# Allegro board LAY-29364_B.brd (continued)
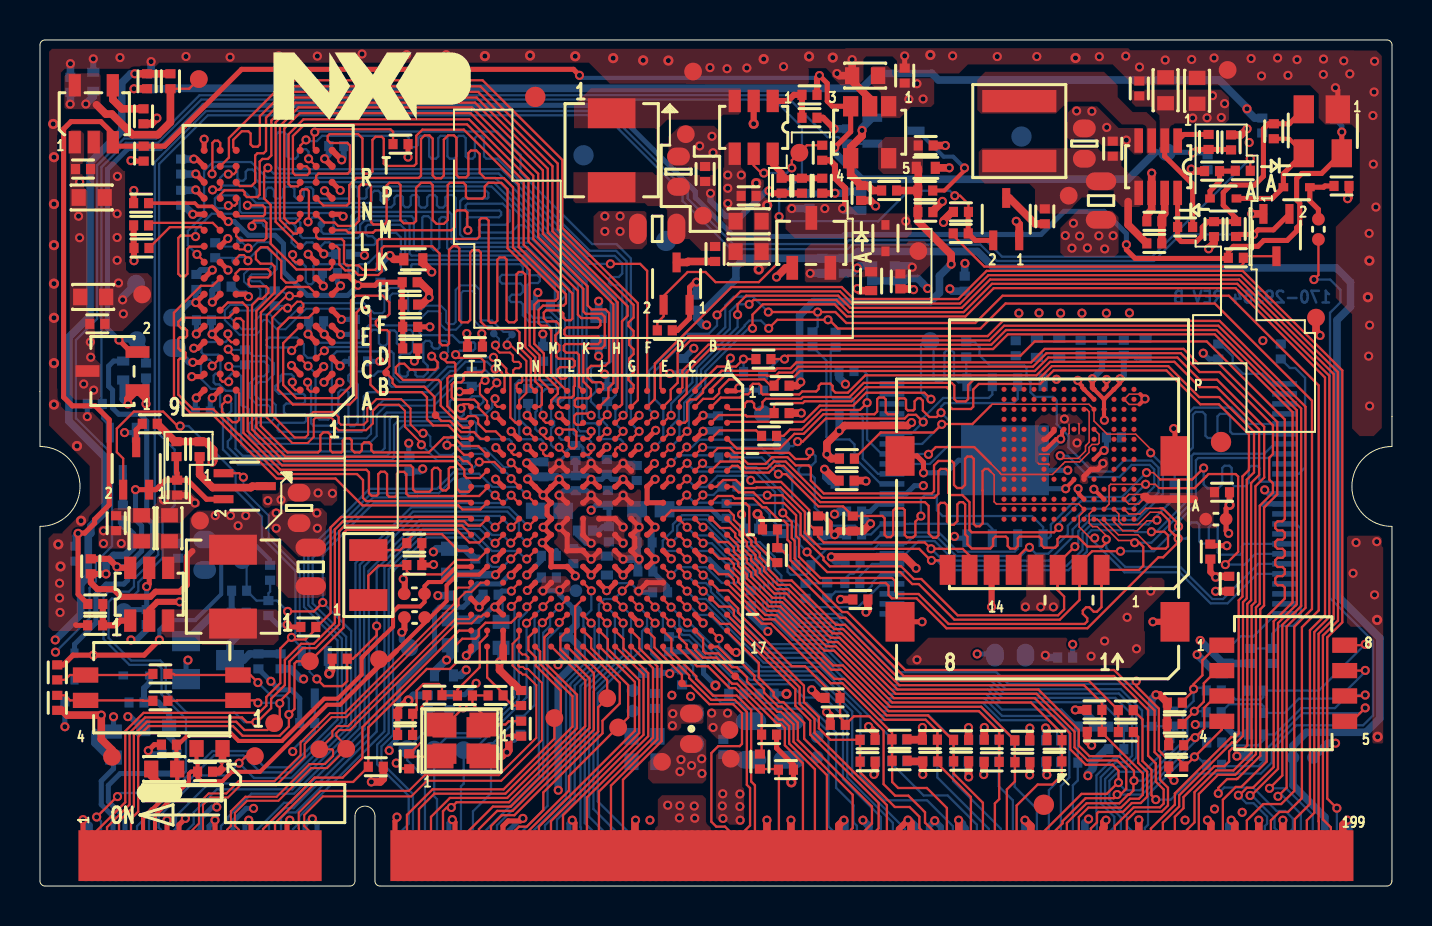
[diagram p0: board, top side]
## Routing (per net, layer and track width the routed paths; a pad name or vN(x,y) marks a point on that pad's centre or on a via; arc(x,y) is an arc through that point) (continued)
VDDUSB: length 2.9
  TOP w0.254: v1(22.78,15.58) 23.16,15.96 U101.R12
  BOTTOM w0.381: v1(22.78,15.58) 22.77,15.58 21.8,15.58 C409.1 20.5,15.62 C408.1
ACC_INT: length 23.5
  TOP w0.114: U101.R10 23.16,17.56 v1(22.76,17.16)
  BOTTOM w0.114: v1(22.76,17.16) 22.7,17.16 21.99,17.88 19.15,17.88 17.22,15.95 17.22,7.74 12.97,3.49 12.97,3.16 12.65,2.85 P801.36
ARM_SOC_PG: length 3.3
  TOP w0.254: U702.5 5.46,15.11 v1(5.33,14.99)
  BOTTOM w0.254: TP703.1 4.31,13.84 R759.2 v1(5.33,14.99)
AUD_INT: length 26.1
  TOP w0.114: U101.P9 23.96,18.36 v1(23.56,17.96)
  BOTTOM w0.114: v1(23.56,17.96) 22.99,18.52 18.74,18.52 16.21,15.99 16.21,11.59 16.23,11.57 16.23,7.84 12.55,4.17 12.2,4.17 10.85,2.82 P801.30
BLT_PWM: length 16.5
  TOP w0.114: P801.45 18.95,3.85 19.72,4.62 23.27,4.62 26.63,7.98 26.63,9.5 25.01,11.12 25.01,11.74 U101.N17
BOOT_MODE0: length 40.5
  TOP w0.114: v1(10.9,10.19) 10.52,10.56 SW602.2 6.74,10.56 6.68,10.62 R655.1 ; U101.T10 21.97,17.2 21.47,17.2 20.84,17.83 15.33,17.83 15.18,17.67 15.18,12.93 TP810.1 12.84,11.25 12.73,11.14 12.73,8.86 v1(12.45,8.59) 12.45,7.99 11.98,7.52 10.13,7.52 9.65,8.01 5.43,8.01 4.91,7.48 4.91,3.72 4.55,3.36 P801.9
  BOTTOM w0.114: v1(12.45,8.59) 12.45,9.37 12.28,9.53 11.55,9.53 v1(10.9,10.19)
BOOT_MODE1: length 37.9
  TOP w0.114: v1(10.9,9.17) 10.77,9.29 SW602.1 6.86,9.29 6.83,9.27 R656.1 ; P801.7 3.95,3.24 4.69,3.98 4.69,7.57 5.34,8.22 9.81,8.22 10.22,7.81 11.37,7.81 TP811.1 11.71,8.17 11.99,8.45 v1(11.99,9.14) 11.99,9.25 12.47,9.73 12.47,11.24 13.14,11.91 13.78,11.91 14.96,13.08 14.96,17.76 15.24,18.04 21.1,18.04 U101.U10
  BOTTOM w0.114: v1(11.99,9.14) 11.96,9.17 v1(10.9,9.17)
BT_DISABLE: length 24.7
  TOP w0.114: U101.R9 23.16,18.36 v1(22.76,17.96)
  BOTTOM w0.114: v1(22.76,17.96) 22.41,18.31 18.97,18.31 16.42,15.76 16.42,13.82 16.45,13.8 16.45,7.67 12.68,3.9 12.24,3.9 11.45,3.11 P801.32
CAN1_RX: length 14.9
  TOP w0.114: v1(29.96,13.96) 29.56,14.36 U101.G14
  BOTTOM w0.114: P801.80 29.45,2.68 27.89,4.24 27.89,9.65 30.1,11.87 30.1,12.76 30.36,13.01 30.36,13.56 v1(29.96,13.96)
CAN1_TX: length 13.3
  TOP w0.114: v1(29.16,13.16) 29.16,13.19 U101.H15
  BOTTOM w0.114: v1(29.16,13.16) 29.16,11.53 27.46,9.83 27.46,3.47 28.25,2.68 P801.76
CAN2_RX: length 14.5
  TOP w0.114: U101.H14 28.76,14.36 v1(29.16,13.96)
  BOTTOM w0.114: P801.78 28.85,2.68 27.67,3.85 27.67,9.74 29.55,11.62 29.55,13.56 v1(29.16,13.96)
CAN2_TX: length 12.8
  TOP w0.114: U101.J15 27.96,13.56 v1(28.36,13.16)
  BOTTOM w0.114: v1(28.36,13.16) 28.36,11.35 27.03,10.01 27.03,2.95 27.05,2.93 P801.72
CLK1_N: length 21.7
  TOP w0.102: P801.37 12.95,2.87 12.93,2.89 12.93,3.67 14.03,4.77 18.45,4.77 19.23,5.55 22.95,5.55 24.82,7.42 24.82,10.05 24.28,10.59 24.14,10.59 24.04,10.69 23.98,10.69 23.63,11.04 23.63,12.12 23.96,12.45 U101.P16
CLK1_P: length 21.7
  TOP w0.102: P801.39 13.55,2.67 13.21,3.01 13.21,3.55 14.15,4.49 18.56,4.49 19.35,5.27 23.06,5.27 25.1,7.3 25.1,10.17 24.4,10.87 24.25,10.87 24.15,10.97 23.98,10.97 23.91,11.04 23.91,11.19 23.98,11.27 24.35,11.27 24.42,11.34 24.42,11.44 24.28,11.59 24.12,11.59 23.96,11.75 U101.P17
CSI_DATA0: length 65.5
  TOP w0.114: v1(31.56,22.76) 31.18,22.39 U101.E4 ; P801.195 63.95,3.23 63.93,3.25 63.93,12.62 64.69,13.38 64.69,25.63 59.96,30.36 47.51,30.36 46.09,28.94 40.52,28.94 39.91,29.55 35.31,29.55 34.88,29.12 v1(34.88,28.6)
  BOTTOM w0.114: v1(34.88,28.6) 34.88,27.98 32.84,25.93 32.84,25.12 31.95,24.23 31.95,23.4 31.56,23.01 v1(31.56,22.76)
CSI_DATA1: length 64.4
  TOP w0.114: U101.E3 31.53,23.56 v1(31.56,23.56) ; v1(35.46,29.12) 35.68,29.33 39.82,29.33 40.43,28.72 46.18,28.72 47.6,30.14 59.87,30.14 64.47,25.54 64.47,13.47 63.72,12.71 63.72,3.66 63.35,3.29 P801.193
  BOTTOM w0.114: v1(31.56,23.56) 31.56,24.15 32.62,25.21 32.62,26.02 34.5,27.9 34.5,28.76 34.85,29.12 v1(35.46,29.12)
CSI_DATA2: length 60.9
  TOP w0.114: v1(61.48,4.89) 62.12,5.53 62.12,13.07 63.06,14.02 63.06,23.9 58.92,28.04 48.21,28.04 47.48,27.31 32.52,27.31 31.89,26.68 31.89,25.19 31.54,24.84 31.54,24.36 U101.E2
  BOTTOM w0.114: v1(61.48,4.89) 62.31,4.89 63.65,3.56 P801.194
CSI_DATA3: length 60
  TOP w0.114: v1(61.9,4.49) 62.34,4.92 62.34,12.98 63.28,13.93 63.28,23.99 58.99,28.29 48.15,28.29 47.39,27.53 32.43,27.53 31.03,26.13 31.03,24.92 U101.E1
  BOTTOM w0.114: P801.192 63.05,3.61 62.11,4.54 61.95,4.54 v1(61.9,4.49)
CSI_DATA4: length 64
  TOP w0.114: v1(35.63,27.91) 35.63,28.6 36.15,29.12 39.73,29.12 40.34,28.51 46.27,28.51 47.69,29.93 59.78,29.93 64.26,25.45 64.26,13.56 63.5,12.8 63.5,4.1 62.75,3.35 P801.191 ; v1(32.36,22.76) 31.98,22.39 U101.D4
  BOTTOM w0.114: v1(32.36,22.76) 32.44,22.84 32.44,24.11 33.27,24.94 33.27,25.75 35.43,27.91 v1(35.63,27.91)
CSI_DATA5: length 60.1
  TOP w0.114: v1(58.92,4.63) 58.92,4.91 59.36,5.35 59.84,5.35 59.86,5.37 59.88,5.37 61.02,6.51 61.02,13.85 61.21,14.04 61.21,18.94 61.87,19.6 61.87,23.22 58.93,26.16 57.91,26.16 57.91,26.16 57.18,26.88 50.24,26.88 49.56,26.21 37.82,26.21 37.53,25.91 36.86,25.91 36.73,25.79 34.08,25.79 33.15,24.86 33.15,24.7 32.8,24.35 32.51,24.35 32.36,24.2 32.36,23.3 32.24,23.19 U101.D3
  BOTTOM w0.114: v1(58.92,4.63) 59.22,4.93 60.66,4.93 61.84,3.75 62.27,3.75 62.65,3.38 62.65,2.86 62.45,2.66 P801.190
CSI_DATA6: length 59
  TOP w0.114: U101.D2 31.96,24.27 32.34,24.65 32.34,25.7 33.51,26.88 47.66,26.88 48.39,27.61 58.74,27.61 62.63,23.72 62.63,14.2 61.69,13.25 61.69,5.96 60.65,4.92 60.35,4.92 59.97,4.54 v1(59.92,4.54)
  BOTTOM w0.114: P801.186 61.25,3 61.36,3.11 61.36,3.47 60.68,4.15 60.32,4.15 v1(59.92,4.54)
CSI_DATA7: length 58.2
  TOP w0.114: v1(60.51,4.53) 60.57,4.53 61.9,5.87 61.9,13.16 62.85,14.11 62.85,23.81 58.83,27.83 48.3,27.83 47.57,27.09 33.42,27.09 32.12,25.79 32.12,24.95 U101.D1
  BOTTOM w0.114: v1(60.51,4.53) 60.6,4.53 61.73,3.4 61.73,2.9 61.85,2.79 P801.188
CSI_HSYNC: length 66.8
  TOP w0.114: v1(33.85,28.58) 35.04,29.76 40,29.76 40.61,29.16 46,29.16 47.42,30.57 60.05,30.57 64.9,25.72 64.9,13.29 64.15,12.53 64.15,3.34 64.55,2.94 P801.197 ; v1(30.73,23.58) 30.73,23.56 U101.F3
  BOTTOM w0.114: v1(33.85,28.58) 33.85,28.05 33.44,27.64 32.3,27.64 30.45,25.79 30.45,23.86 v1(30.73,23.58)
CSI_MCLK: length 68.9
  TOP w0.114: U101.F5 v1(30.75,21.98) ; v1(36.42,28.73) v1(38.89,28.73) 39.77,28.73 40.32,28.18 46.77,28.18 48.13,29.54 59.45,29.54 63.94,25.05 63.94,13.8 63.1,12.96 63.1,4.4 62.41,3.71 61.98,3.71 61.55,3.28 P801.187
  BOTTOM w0.114: v1(30.75,21.98) 31.17,22.4 31.17,23.94 30.73,24.38 30.73,25.76 32.39,27.42 33.72,27.42 34.27,27.97 34.27,29.07 34.69,29.5 35.06,29.5 35.07,29.5 35.65,29.5 v1(36.42,28.73) ; v1(38.89,28.73) 38.89,28 R311.1
CSI_PIXCLK: length 65.2
  TOP w0.114: v1(36.44,27.91) 36.87,28.34 v1(39.4,28.34) 39.46,28.34 39.9,27.91 47.03,27.91 48.28,29.16 58.74,29.16 63.6,24.29 63.6,13.86 62.72,12.98 62.72,4.76 62.06,4.1 61.17,4.1 60.35,3.28 P801.183 ; U101.E5 v1(31.54,21.96)
  BOTTOM w0.114: v1(36.44,27.91) 36.05,28.3 35.47,28.3 35.24,28.07 35.24,28.03 33.05,25.84 33.05,25.03 32.21,24.18 32.21,23.26 31.97,23.03 31.97,22.4 v1(31.54,21.96) ; R312.1 39.78,28.02 39.46,28.34 v1(39.4,28.34)
CSI_VSYNC: length 66
  TOP w0.114: U101.F2 30.74,24.37 30.74,26.15 34.58,29.98 40.09,29.98 40.69,29.38 45.92,29.38 47.33,30.79 60.14,30.79 65.12,25.81 65.12,13.2 64.37,12.44 64.37,4.38 v1(64.85,3.9)
  BOTTOM w0.114: P801.198 v1(64.85,3.9)
DCDC_3V3: length 146.4
  TOP w0.076: 50.46,21.09 50.43,21.12 50.42,21.1 50.4,21.12 49.96,21.12 49.9,21.18 ; 49.98,21.61 50.47,21.61 ; 51.96,22.64 51.96,23.12 51.93,23.15 ; 51.46,23.11 51.46,22.65 51.44,22.63
  TOP w0.254: U101.H13 28.76,15.16 28.38,14.78 v1(28.34,14.78) 27.96,15.16 U101.J13 ; R321.1 39.17,18.52 39.51,18.18 39.51,17.81 v1(39.74,17.58) ; v1(59.35,17.04) 58.6,17.04 C310.1 ; U301.J10 50.29,22.36 50.7,22.78 U301.K9 ; U301.E6 52.2,20.51 52.55,20.86 U301.F5 52.9,20.86 53.15,21.11 v1(53.15,21.16) ; U101.E13 U101.F13 v1(29.94,14.76)
  TOP w0.305: R760.1 39.49,36.33 39.75,36.07 39.75,35.43 40.26,34.92 40.26,34.04 v1(40.13,33.91)
  TOP w0.381: v1(41.43,7.98) 41.75,7.66 R603.2 ; R611.2 46.43,7.93 v1(46.43,7.93) ; v1(38.59,9.82) 38.99,9.42 R602.2 ; v1(43.58,23.2) 43.54,23.2 43.39,23.05 40.23,23.05 v1(39.96,22.78) 39.35,22.17 v1(39.35,21.61) 39.57,21.39 R322.1 ; R616.2 v1(49.5,7.9) ; v1(39.57,16.47) 43.24,16.47 v1(43.81,15.9) ; v1(39.74,17.58) 39.92,17.77 R315.1 41.16,17.77 v1(41.53,18.14) ; R607.2 43.37,7.33 R606.2 44.12,7.94 v1(44.12,7.94) ; R731.1 44.65,33.79 v1(45.12,34.27) ; R705.1 v1(4.7,39.9) ; R610.2 v1(47.22,7.94) ; v1(60.36,37.9) 60.06,37.6 R727.1 ; R623.2 v1(51.77,8.82) ; R615.2 50.35,7.84 v1(50.28,7.91)
  POWER w0.254: 30.09,7.34 29.52,7.91 27.6,7.91 25.71,9.8 22.59,9.8 22.24,10.15 v1(21.81,10.15) 21.56,9.9 11.89,9.9 v1(11.54,10.25)
  BOTTOM w0.114: v1(29.94,14.76) 29.54,15.16 28.76,15.16 28.38,14.78 v1(28.34,14.78)
  BOTTOM w0.254: R517.2 21.24,9.58 v1(21.81,10.15) ; U302.37 61.3,19.13 61.26,19.09 61.16,19.09 ; C401.1 30,14.7 v1(29.94,14.76) ; C309.1 41.51,18.74 41.9,19.13 U302.12 ; R512.1 v1(11.54,10.25) 11.97,9.82 12.56,9.82 12.99,9.39 R513.1
  BOTTOM w0.305: C413.1 31.45,10.67 v1(31.49,10.63) 31.67,10.82 C402.1 ; v1(57.77,8.08) 59.19,8.08 59.69,7.59 R618.2 60.44,8.66 R619.2
  BOTTOM w0.381: v1(51.77,8.82) 52.14,8.82 52.67,8.28 R621.2 53.43,7.98 R620.2 ; 59.32,10.58 58.86,10.58 v1(57.86,11.58) ; C721.1 40.23,33.82 v1(40.13,33.91) ; v1(59.85,6.5) 59.86,6.51 R617.2 ; v1(41.53,18.14) 41.47,18.14 41.08,18.52 C309.1 ; R317.1 39.77,16.27 v1(39.57,16.47) ; v1(36.4,12.74) 35.55,13.59 R614.2 ; v1(49.5,7.9) 49.48,7.89 R613.2 ; R303.1 39.75,17.6 v1(39.74,17.58) 39.71,17.55 R318.1 ; R320.1 v1(39.96,22.78) ; v1(37.59,33.91) 38.48,33.91 C722.1 ; v1(41.43,7.98) 41.78,7.64 R601.2 ; C313.1 50.38,11.44 v1(50.27,11.55) ; R701.1 40.97,31.04 v1(40.87,30.93) 40.61,30.68 R703.1 ; v1(39.35,21.61) 39.55,21.41 R319.1 ; R605.2 44.12,7.33 R604.2 v1(44.12,7.94) ; R608.2 47.19,7.91 v1(47.22,7.94) ; v1(4.7,39.9) 5.08,39.9 5.08,39.9 C742.1 6.74,39.9 6.76,39.93 41.1,39.93 41.85,40.68 44.59,40.68 44.93,40.34 58.96,40.34 60.32,38.99 60.32,38.94 v1(60.35,38.9) 60.35,38.82 60.74,38.44 C741.1 ; R612.2 v1(50.28,7.91) ; R609.2 v1(46.43,7.93)
  vias: v1(32.05,6.33) v1(32,5.72) v1(32.58,6.03) v1(33.09,6.37) v1(33.1,5.63) v1(39.24,33.91) v1(43.29,33.28) v1(43.85,11.32) v1(49.28,13.97) v1(50.04,13.97) v1(50.67,13.97) v1(50.83,25.36) v1(51.23,23.38) v1(51.27,32.56) v1(51.6,31.93) v1(51.67,33.17) v1(51.86,22.18) v1(51.98,32.53) v1(52.37,31.94) v1(52.56,11.5) v1(52.95,32.55) v1(53.24,31.89) v1(53.23,12.26) v1(53.66,32.55) v1(54.36,13.45) v1(54.83,11.88) v1(55.54,14.76) v1(61.15,27.3)
DCDC_3V3_PG: length 95.8
  TOP w0.254: R727.2 59.54,36.87 R726.2 57.81,36.87 v1(57.64,36.7) ; v1(26.98,40.58) 26.68,40.88 10.08,40.88 6.23,37.03 C744.1 3.83,37.03 U704.3 3.64,37.66 3.04,38.26 1.55,38.26 1.18,37.89 1.18,24.47 1.62,24.03 2.77,24.03 3.46,23.34 3.46,19.08 2.73,18.35 2.73,18.16 2.24,17.67 1.92,17.67 v1(1.91,17.65) 1.91,14.6 R710.2 ; v1(38.98,40.57) 39.37,40.18 39.37,39.28 39.62,39.03 U707.3 40.54,37.75 v1(39.74,36.96)
  TOP w0.305: v1(38.98,40.57) 38.85,40.44 R722.2
  BOTTOM w0.203: v1(38.98,40.57) 38.86,40.45 27.1,40.45 v1(26.98,40.58)
  BOTTOM w0.254: C747.1 58.28,36.7 v1(57.64,36.7) 57.62,36.73 TP706.1 55.76,36.73
  BOTTOM w0.305: v1(1.91,17.65) 1.78,17.53 C743.1
  BOTTOM w0.381: 55.76,36.73 54.41,35.38 41.08,35.38 39.75,36.7 39.75,36.94 v1(39.74,36.96)
DISCHG_EN: length 79.8
  TOP w0.114: v1(36.96,33.5) 36.88,33.43 36.88,31.16 35.94,30.23 33.78,30.23 33.27,30.73 32.38,30.73 31.18,29.53 Q706.2 31.18,28.51 30.87,28.2 C746.1 ; C736.1 46.43,34.13 46.01,34.55 v1(45.74,34.55)
  TOP w0.254: C736.1 46.42,33.73 R740.1 46.76,32.32 Q705.2
  BOTTOM w0.114: v1(45.74,34.55) 45.49,34.8 43.43,34.8 41.91,33.27 37.19,33.27 v1(36.96,33.5) 36.96,34.42 38.1,35.56 38.1,37.97 36.71,39.36 8.06,39.36 5.9,37.2 4.29,37.2 3.07,35.98 3.07,24.17 C745.1 3.11,23.4 3.49,23.03 Q707.2
DRAM_1V35: length 32
  TOP w0.254: v1(7.69,36.39) 7.84,36.39 U201.R9 ; U201.D9 7.91,26.92 v1(7.69,26.92) ; v1(14.99,25.22) 14.97,25.19 14.97,25.19 U201.A1 ; U201.H2 14.17,30.06 v1(14.17,30.03) ; v1(10.43,29.5) 10.3,29.62 U201.G7 ; v1(7.82,27.63) U201.E9 ; U201.F1 v1(15.07,28.36) ; U101.K6 27.18,20.79 v1(27.56,21.16) 27.93,20.79 U101.J6 ; U201.C1 v1(15,26.03) ; U201.K8 v1(9.39,32.41) ; U101.H6 29.13,21.16 v1(29.16,21.16) 29.18,21.16 U101.G6 ; U201.A8 v1(8.62,24.43) ; U201.B2 v1(14.19,26) ; U201.C9 8,26.21 v1(7.64,26.21) ; U101.M6 25.58,20.79 v1(25.96,21.16) 26.33,20.79 U101.L6 ; U201.K2 v1(14.19,31.64) ; U201.H9 v1(8.62,30.83) ; U201.D2 v1(13.4,27.63) ; U201.N1 v1(14.23,34.8) ; U201.N9 v1(7.79,34.84)
  TOP w0.305: C216.1 22.13,27.62 v1(22.09,27.65) ; v1(14.23,36.4) 14.23,36.4 U201.R1
  TOP w0.381: v1(19.59,30.73) 19.14,31.18 C223.1 ; R207.1 19.09,29.1 19.45,29.46 v1(19.46,29.46) 19.46,29.77 19,30.22 C222.1
  BOTTOM w0.152: v1(27.56,21.16) 27.56,21.38 27.52,21.38 27.15,21.75 27.15,21.94 27.04,22.05 C212.1 26.62,22.05 26.3,21.74 26.3,21.58 25.96,21.24 v1(25.96,21.16)
  BOTTOM w0.254: C213.1 15.08,28.36 v1(15.07,28.36) ; C214.1 15.23,26.26 v1(15,26.03) ; v1(8.62,24.43) 8.51,24.33 C217.1 ; C205.1 14.21,31.62 v1(14.19,31.64) ; C206.1 14.12,30.07 v1(14.17,30.03) ; v1(7.82,27.63) 7.82,27.64 C218.1 ; v1(29.16,21.16) 29.72,21.16 C215.1
  BOTTOM w0.305: C207.1 13.43,27.65 v1(13.4,27.63) ; C210.1 14.44,36.61 v1(14.23,36.4) ; v1(8.62,30.83) 8.04,30.83 C208.1 ; C226.1 19.01,20.75 v1(19.14,20.88) ; C211.1 7.45,26.21 v1(7.64,26.21) ; C209.1 9.9,29.66 10.27,29.66 v1(10.43,29.5)
  BOTTOM w0.381: C225.1 v1(27.93,26.52) ; C219.1 7.77,34.82 v1(7.79,34.84) ; C220.1 v1(7.69,36.39)
  vias: v1(28.25,33.53) v1(28.25,32.77) v1(29.01,33.53) v1(29.01,32.77)
DRAM_ADDR0: length 35
  TOP w0.114: v1(25.96,21.96) 26.33,21.58 U101.L5 ; U201.N3 13.02,34.43 13.02,34.77 13.11,34.87 13.37,34.87 13.45,34.79 13.45,33.29 v1(13.4,33.24)
  BOTTOM w0.114: v1(25.96,21.96) 25.67,21.96 25.55,22.07 25.55,22.9 25.71,23.06 25.71,23.25 25.55,23.4 25.55,24.18 25.69,24.31 TP207.1 26.14,24.31 26.25,24.43 26.25,28.42 25.94,28.74 25.94,29.19 26.25,29.51 26.25,29.82 24.3,31.77 20.52,31.77 20.36,31.94 20.36,33.37 20.24,33.49 20.08,33.49 19.97,33.37 19.97,31.95 19.85,31.83 19.69,31.83 19.57,31.94 19.57,33.37 19.41,33.53 19.19,33.53 19.12,33.45 19.12,31.93 19,31.81 18.81,31.81 18.69,31.93 18.69,33.41 18.58,33.53 15.99,33.53 15.79,33.33 15.79,32.76 15.68,32.65 14.18,32.65 14.07,32.76 TP208.1 14.07,33.32 13.91,33.47 13.63,33.47 v1(13.4,33.24)
DRAM_ADDR1: length 35.1
  TOP w0.114: U101.H2 28.98,23.98 29.1,24.11 29.1,28.27 29.38,28.55 29.38,29.02 25.63,32.77 25.63,36.03 21.91,39.75 12.59,39.75 11.3,38.46 11.3,36.8 11.18,36.68 10.87,36.68 10.76,36.56 10.76,35.22 10.57,35.03 10,35.03 U201.P7
DRAM_ADDR2: length 35.2
  TOP w0.114: U101.K1 26.95,24.99 26.95,26.59 26.84,26.7 26.31,26.7 26.19,26.81 26.19,27.04 26.28,27.13 27.91,27.13 28.02,27.24 28.02,27.4 27.92,27.51 26.34,27.51 26.22,27.62 26.22,27.84 26.34,27.96 27.91,27.96 28.02,28.07 28.02,28.3 27.89,28.43 27.07,28.43 26.9,28.6 26.9,29.79 24.42,32.26 24.42,35.41 21.46,38.37 13.18,38.37 12.43,37.63 12.43,35.14 12.54,35.02 12.89,35.02 13.01,35.14 U201.P3
DRAM_ADDR3: length 35
  TOP w0.114: U101.M2 25.56,24.31 25.9,24.65 25.9,24.92 25.2,25.62 25.2,26.66 24.72,27.14 24.72,29.09 24.92,29.3 25.78,29.3 25.89,29.41 25.89,29.72 23.65,31.96 23.65,34.98 23.2,35.43 22.25,35.43 21.99,35.69 21.99,36.64 21.82,36.81 21.55,36.81 21.42,36.68 21.42,35.59 21.31,35.47 20.94,35.47 20.82,35.59 20.82,37.45 20.7,37.57 20.41,37.57 20.19,37.36 20.19,35.56 20.06,35.43 19.78,35.43 19.64,35.57 19.64,37.41 19.47,37.57 19.23,37.57 19.05,37.39 19.05,35.56 18.94,35.44 15.82,35.44 15.46,35.08 15.46,34.18 15.35,34.06 14.17,34.06 U201.N2
DRAM_ADDR4: length 35.1
  TOP w0.114: v1(27.56,22.76) 27.56,22.5 27.44,22.39 U101.K4 ; U201.P8 9.06,35.17 9.06,34.96 8.94,34.84 v1(8.63,34.84)
  BOTTOM w0.114: v1(8.63,34.84) 10.15,34.84 10.8,34.19 16.46,34.19 16.58,34.3 16.58,34.66 16.72,34.8 16.92,34.8 17.03,34.69 17.03,34.33 17.1,34.26 17.31,34.26 17.43,34.38 17.43,34.69 17.54,34.8 22.31,34.8 22.42,34.69 22.42,34.47 22.37,34.41 21.15,34.41 21.01,34.27 21.01,32.61 21.2,32.42 24.56,32.42 26.9,30.08 26.9,22.87 27.01,22.76 v1(27.56,22.76)
DRAM_ADDR5: length 35.2
  TOP w0.114: U101.L1 26.34,24.79 25.56,25.57 25.56,27.82 25.33,28.04 25.06,28.04 24.93,28.17 24.93,28.83 25.15,29.05 26.18,29.05 26.3,29.17 26.3,29.62 23.94,31.98 23.94,35.11 21.19,37.86 19.12,37.86 18.82,37.55 18.82,36.16 18.7,36.04 17.3,36.04 17.19,36.16 17.19,37.4 17.09,37.5 16.78,37.5 16.62,37.35 16.62,35.76 16.52,35.66 16.23,35.66 16.12,35.76 16.12,37.42 15.91,37.64 14.48,37.64 14.39,37.54 14.39,37.33 14.52,37.19 15.37,37.19 15.5,37.07 15.5,35.77 15.38,35.66 13.92,35.66 13.81,35.54 U201.P2
DRAM_ADDR6: length 35.2
  TOP w0.114: U101.G2 29.9,24.32 29.9,29.17 26.12,32.95 26.12,36.34 22.13,40.33 12.34,40.33 9.45,37.44 9.45,36.46 U201.R8
DRAM_ADDR7: length 35.3
  TOP w0.114: U101.H4 28.78,22.39 v1(29.16,22.76) ; U201.R2 v1(13.43,36.4)
  BOTTOM w0.114: v1(13.43,36.4) 13.43,36.76 13.31,36.88 13.03,36.88 12.9,36.75 12.9,36.53 12.77,36.4 12.47,36.4 12.34,36.53 12.34,37.6 12.21,37.73 11.93,37.73 11.83,37.63 11.83,35.99 11.95,35.88 23.07,35.88 27.41,31.54 28.74,31.54 29.11,31.16 29.11,30.66 28.94,30.48 28.54,30.48 28.45,30.39 28.45,30.18 28.55,30.08 28.97,30.08 29.11,29.93 29.11,24.14 28.77,23.79 28.77,23.15 v1(29.16,22.76)
DRAM_ADDR8: length 35
  TOP w0.114: v1(8.6,35.64) 8.62,35.66 8.62,37.19 8.74,37.31 8.9,37.31 9.01,37.19 9.01,36.83 U201.T8 ; v1(28.36,22.76) 27.98,22.39 U101.J4
  BOTTOM w0.114: v1(8.6,35.64) 8.6,35.83 8.79,36.02 9.79,36.02 9.88,35.93 9.88,35.43 10,35.3 10.17,35.3 10.28,35.42 10.28,35.75 10.4,35.86 10.62,35.86 10.8,35.68 10.8,35.36 10.93,35.23 22.67,35.23 28.54,29.36 28.54,26.25 28.46,26.17 28.13,26.17 27.97,26.01 27.66,26.01 27.55,25.9 27.55,25.4 27.82,25.13 27.82,24.78 27.55,24.5 27.55,24.25 27.95,23.85 27.95,23.46 28.36,23.05 v1(28.36,22.76)
DRAM_ADDR9: length 35.3
  TOP w0.114: U201.R3 13.33,36.02 13.48,35.88 13.48,35.7 13.36,35.58 12.76,35.58 12.65,35.7 12.65,37.54 13.23,38.12 21.35,38.12 24.18,35.29 24.18,32.1 26.62,29.66 26.62,28.4 26.54,28.32 26.28,28.32 26.17,28.44 26.17,28.66 26.01,28.81 25.3,28.81 25.19,28.7 25.19,28.41 25.34,28.26 25.81,28.26 25.98,28.09 25.98,27.77 25.77,27.56 25.77,27.26 25.97,27.06 25.97,26.83 25.82,26.67 25.82,26.51 25.93,26.39 26.62,26.39 26.74,26.27 26.74,26.05 26.66,25.97 26.01,25.97 25.89,25.86 25.89,25.54 26.04,25.39 26.25,25.39 26.43,25.57 26.62,25.57 26.74,25.46 26.74,25.03 26.7,24.99 26.7,24.56 26.58,24.45 26.01,24.45 25.9,24.33 25.9,24.1 26.05,23.94 26.32,23.94 U101.L2
DRAM_ADDR10: length 35.2
  TOP w0.114: U201.L7 9.81,32.53 10.02,32.31 11.21,32.31 11.32,32.43 11.32,33.2 11.21,33.31 10.71,33.31 10.6,33.2 v1(10.6,33.03) ; U101.M4 25.33,22.39 25.16,22.56 v1(25.16,22.76)
  BOTTOM w0.114: v1(25.16,22.76) 24.89,22.76 24.77,22.87 24.77,23.72 24.85,23.79 24.85,24.94 25,25.09 25.7,25.09 25.82,25.21 25.82,28.16 25.54,28.45 24.66,28.45 24.36,28.74 24.36,30.06 24.48,30.18 24.89,30.18 25,30.28 25,30.46 24.88,30.57 24.47,30.57 24.36,30.69 24.36,31.09 24.12,31.34 18.38,31.34 18.26,31.45 18.26,32.86 18.03,33.09 16.4,33.09 16.29,32.98 16.29,32.64 16.4,32.52 16.61,32.52 16.79,32.35 16.79,32.17 16.71,32.09 14.6,32.09 14.47,32.22 14.24,32.22 14.01,31.98 13.85,31.98 13.62,32.22 13.32,32.22 13.1,31.99 12.79,31.99 12.58,32.2 12.58,32.53 12.79,32.73 12.79,33.01 12.59,33.2 12.35,33.2 12.26,33.11 12.26,32.98 12.15,32.87 11.35,32.87 11.17,33.06 11.17,33.11 11.08,33.2 10.77,33.2 v1(10.6,33.03)
DRAM_ADDR11: length 35
  TOP w0.114: U201.R7 9.81,35.75 9.69,35.63 v1(9.42,35.63) ; U101.K3 27.06,23.09 26.83,23.09 26.72,23.2 26.72,23.53 26.83,23.65 27.47,23.65 v1(27.56,23.56)
  BOTTOM w0.114: v1(9.42,35.63) 9.19,35.63 9.01,35.44 9.01,35.22 9.17,35.06 10.63,35.06 10.83,34.86 10.83,34.52 10.95,34.41 11.17,34.41 11.29,34.52 11.29,34.84 11.4,34.95 11.57,34.95 11.7,34.83 11.7,34.53 11.81,34.41 12.05,34.41 12.17,34.53 12.17,34.89 12.28,35.01 12.61,35.01 12.72,34.89 12.72,34.52 12.84,34.41 13.07,34.41 13.19,34.52 13.19,34.86 13.3,34.97 13.55,34.97 13.66,34.86 13.66,34.52 13.78,34.41 15.4,34.41 15.47,34.47 15.47,34.92 15.56,35.02 15.81,35.02 15.89,34.93 15.89,34.53 16.01,34.41 16.26,34.41 16.33,34.48 16.33,34.88 16.47,35.02 22.58,35.02 27.33,30.26 27.33,23.69 27.46,23.56 v1(27.56,23.56)
DRAM_ADDR12: length 35
  TOP w0.114: U101.L4 26.44,22.3 26.44,22.01 26.55,21.9 26.72,21.9 26.82,22.01 26.82,22.73 26.71,22.85 26.05,22.85 v1(25.96,22.76) ; v1(9.42,34.06) 9.74,34.06 9.85,34.17 9.85,34.38 U201.N7
  BOTTOM w0.114: v1(25.96,22.76) 25.96,22.45 26.07,22.33 26.3,22.33 26.47,22.5 26.47,29.9 24.39,31.99 20.82,31.99 20.58,32.23 20.58,33.63 20.46,33.74 15.79,33.74 15.57,33.52 15.57,32.98 15.46,32.86 14.79,32.86 14.68,32.98 14.68,33.5 14.49,33.68 10.1,33.68 9.98,33.8 9.98,34.42 9.84,34.57 8.9,34.57 8.75,34.41 8.75,34.04 8.86,33.92 9.28,33.92 v1(9.42,34.06)
DRAM_ADDR13: length 35.2
  TOP w0.114: U201.T3 13.01,37.05 v1(13.3,37.35) ; v1(29.16,23.56) 28.78,23.19 U101.H3
  BOTTOM w0.114: v1(29.16,23.56) 29.33,23.73 29.33,31.27 28.81,31.79 27.49,31.79 22.88,36.41 22.32,36.41 22.2,36.52 22.2,37.44 22.09,37.55 21.86,37.55 21.74,37.44 21.74,36.52 21.63,36.41 21.4,36.41 21.29,36.52 21.29,37.44 21.17,37.55 20.94,37.55 20.83,37.44 20.83,36.52 20.72,36.41 20.49,36.41 20.37,36.52 20.37,37.44 20.26,37.55 20.03,37.55 19.92,37.44 19.92,36.52 19.8,36.41 19.57,36.41 19.46,36.52 19.46,37.44 19.34,37.55 19.02,37.55 18.9,37.44 18.9,37.1 18.79,36.98 18.56,36.98 18.45,37.1 18.45,37.44 18.33,37.55 14.1,37.55 13.84,37.28 13.36,37.28 v1(13.3,37.35)
DRAM_ADDR14: length 35.1
  TOP w0.114: U101.G1 29.68,24.91 29.68,25.08 29.42,25.33 29.42,25.45 29.68,25.71 29.68,25.95 29.46,26.17 29.46,26.41 29.68,26.63 29.68,26.86 29.46,27.08 29.46,27.32 29.68,27.54 29.68,27.78 29.42,28.04 29.42,28.2 29.68,28.46 29.68,29.09 25.89,32.87 25.89,36.16 22.02,40.03 12.49,40.03 10.99,38.53 10.99,37.12 10.89,37.01 10.64,37.01 10.53,37.12 10.53,37.66 10.42,37.78 10.09,37.78 9.66,37.35 9.66,36.97 U201.T7
DRAM_ADDR15: length 35
  TOP w0.114: v1(27.56,21.96) 27.56,21.7 27.44,21.58 U101.K5 ; v1(10.37,34.07) 11.14,34.07 11.25,33.96 11.25,33.62 11.16,33.53 9.9,33.53 U201.M7
  BOTTOM w0.114: v1(27.56,21.96) 27.56,22.23 27.37,22.42 27.28,22.42 27.17,22.54 26.8,22.54 26.68,22.65 26.68,29.99 24.47,32.2 20.91,32.2 20.79,32.32 20.79,34.43 20.64,34.58 20.39,34.58 20.27,34.47 20.27,34.07 20.16,33.96 19.96,33.96 19.85,34.07 19.85,34.47 19.74,34.58 19.48,34.58 19.36,34.47 19.36,34.07 19.25,33.96 19.06,33.96 18.94,34.08 18.94,34.47 18.83,34.58 18.63,34.58 18.54,34.49 18.54,34.09 18.42,33.97 18.26,33.97 18.15,34.09 18.15,34.48 18.06,34.56 17.84,34.56 17.72,34.44 17.72,34.13 17.56,33.97 10.47,33.97 v1(10.37,34.07)
DRAM_CAS_B: length 35.5
  TOP w0.114: U101.J2 28.42,24.45 28.42,24.92 28.67,25.17 28.67,29.12 25.15,32.64 25.15,35.82 21.75,39.21 12.77,39.21 11.78,38.23 11.78,33.25 U201.K3
DRAM_CS0_B: length 35.5
  TOP w0.114: U101.N2 24.98,23.98 25.1,24.1 25.1,24.92 24.76,25.26 24.76,26.47 24.27,26.97 24.27,30.61 24.14,30.73 23.94,30.73 23.83,30.62 23.83,28.33 23.71,28.21 23.44,28.21 23.33,28.33 23.33,31.36 23.23,31.46 22.98,31.46 22.87,31.35 22.87,28.3 22.77,28.2 22.53,28.2 22.43,28.29 22.43,33.31 22.32,33.42 22.06,33.42 21.98,33.34 21.98,32.51 21.85,32.38 16.96,32.38 16.87,32.3 16.87,30.96 16.76,30.84 16.15,30.84 15.93,31.06 15.32,31.06 15.2,31.18 15.2,32.27 15.09,32.38 13.92,32.38 13.81,32.5 U201.L2
DRAM_CS1_B: length 35.1
  TOP w0.114: U101.H5 28.76,21.85 28.87,21.96 v1(29.16,21.96) ; U201.L1 15.3,32.82 15.42,32.71 16.65,32.71 16.66,32.7 16.77,32.82 20.58,32.82 20.75,32.99 20.75,33.7 20.86,33.82 21.26,33.82 21.37,33.71 21.37,32.85 v1(21.39,32.82)
  BOTTOM w0.114: v1(21.39,32.82) 21.34,32.88 21.34,33.39 21.42,33.47 22.94,33.47 23.06,33.59 23.06,33.73 22.98,33.81 21.37,33.81 21.28,33.9 21.28,34.06 21.37,34.15 23.14,34.15 23.48,33.81 23.48,33.28 23.3,33.1 22.06,33.1 21.95,32.98 21.95,32.82 22.06,32.71 23.55,32.71 23.92,33.08 24.21,33.08 27.11,30.17 27.11,23.34 27.3,23.16 27.78,23.16 27.96,22.98 27.96,22.53 28.11,22.37 29.02,22.37 29.16,22.23 v1(29.16,21.96)
DRAM_DATA0: length 25.2
  TOP w0.114: U101.T4 22.04,22.39 21.7,22.72 21.05,22.72 20.5,23.28 20.07,23.28 TP204.1 19.72,23.62 19.72,24.48 19.21,24.99 17.81,24.99 17.63,25.17 17.63,25.37 TP202.1 17.31,25.86 17.47,26.02 17.47,27.71 17.35,27.83 17.06,27.83 16.8,28.09 16.8,28.26 17.06,28.52 17.36,28.52 17.47,28.63 17.47,29.22 17.14,29.55 15.79,29.55 15.55,29.3 15.55,25.04 14.93,24.42 12.82,24.42 12.16,25.08 12.16,27.17 U201.E3
DRAM_DATA1: length 25.3
  TOP w0.114: U201.H3 12.79,30.2 12.3,30.2 12.07,30.44 12.07,31.28 11.37,31.98 11.05,31.98 10.8,31.72 10.8,31.38 11.02,31.15 11.59,31.15 11.73,31.01 11.73,29.7 10.82,28.79 10.82,22.95 12.29,21.48 20.95,21.48 21.17,21.27 21.36,21.27 21.6,21.03 21.6,20.82 U101.U6
DRAM_DATA2: length 25.4
  TOP w0.114: U101.T6 22,20.42 21.33,20.42 21.22,20.54 21.22,20.84 20.79,21.27 12.2,21.27 10.6,22.86 10.6,29.08 10.92,29.39 11.12,29.39 11.42,29.69 11.42,29.9 11.3,30.02 10.54,30.02 10.43,30.12 10.43,30.36 10.53,30.46 11.4,30.46 11.52,30.58 11.52,30.74 11.38,30.88 10,30.88 9.78,30.66 9.78,30.45 U201.H7
